# Altium PCB rev3.PcbDoc (part 4 of 7) (continued)
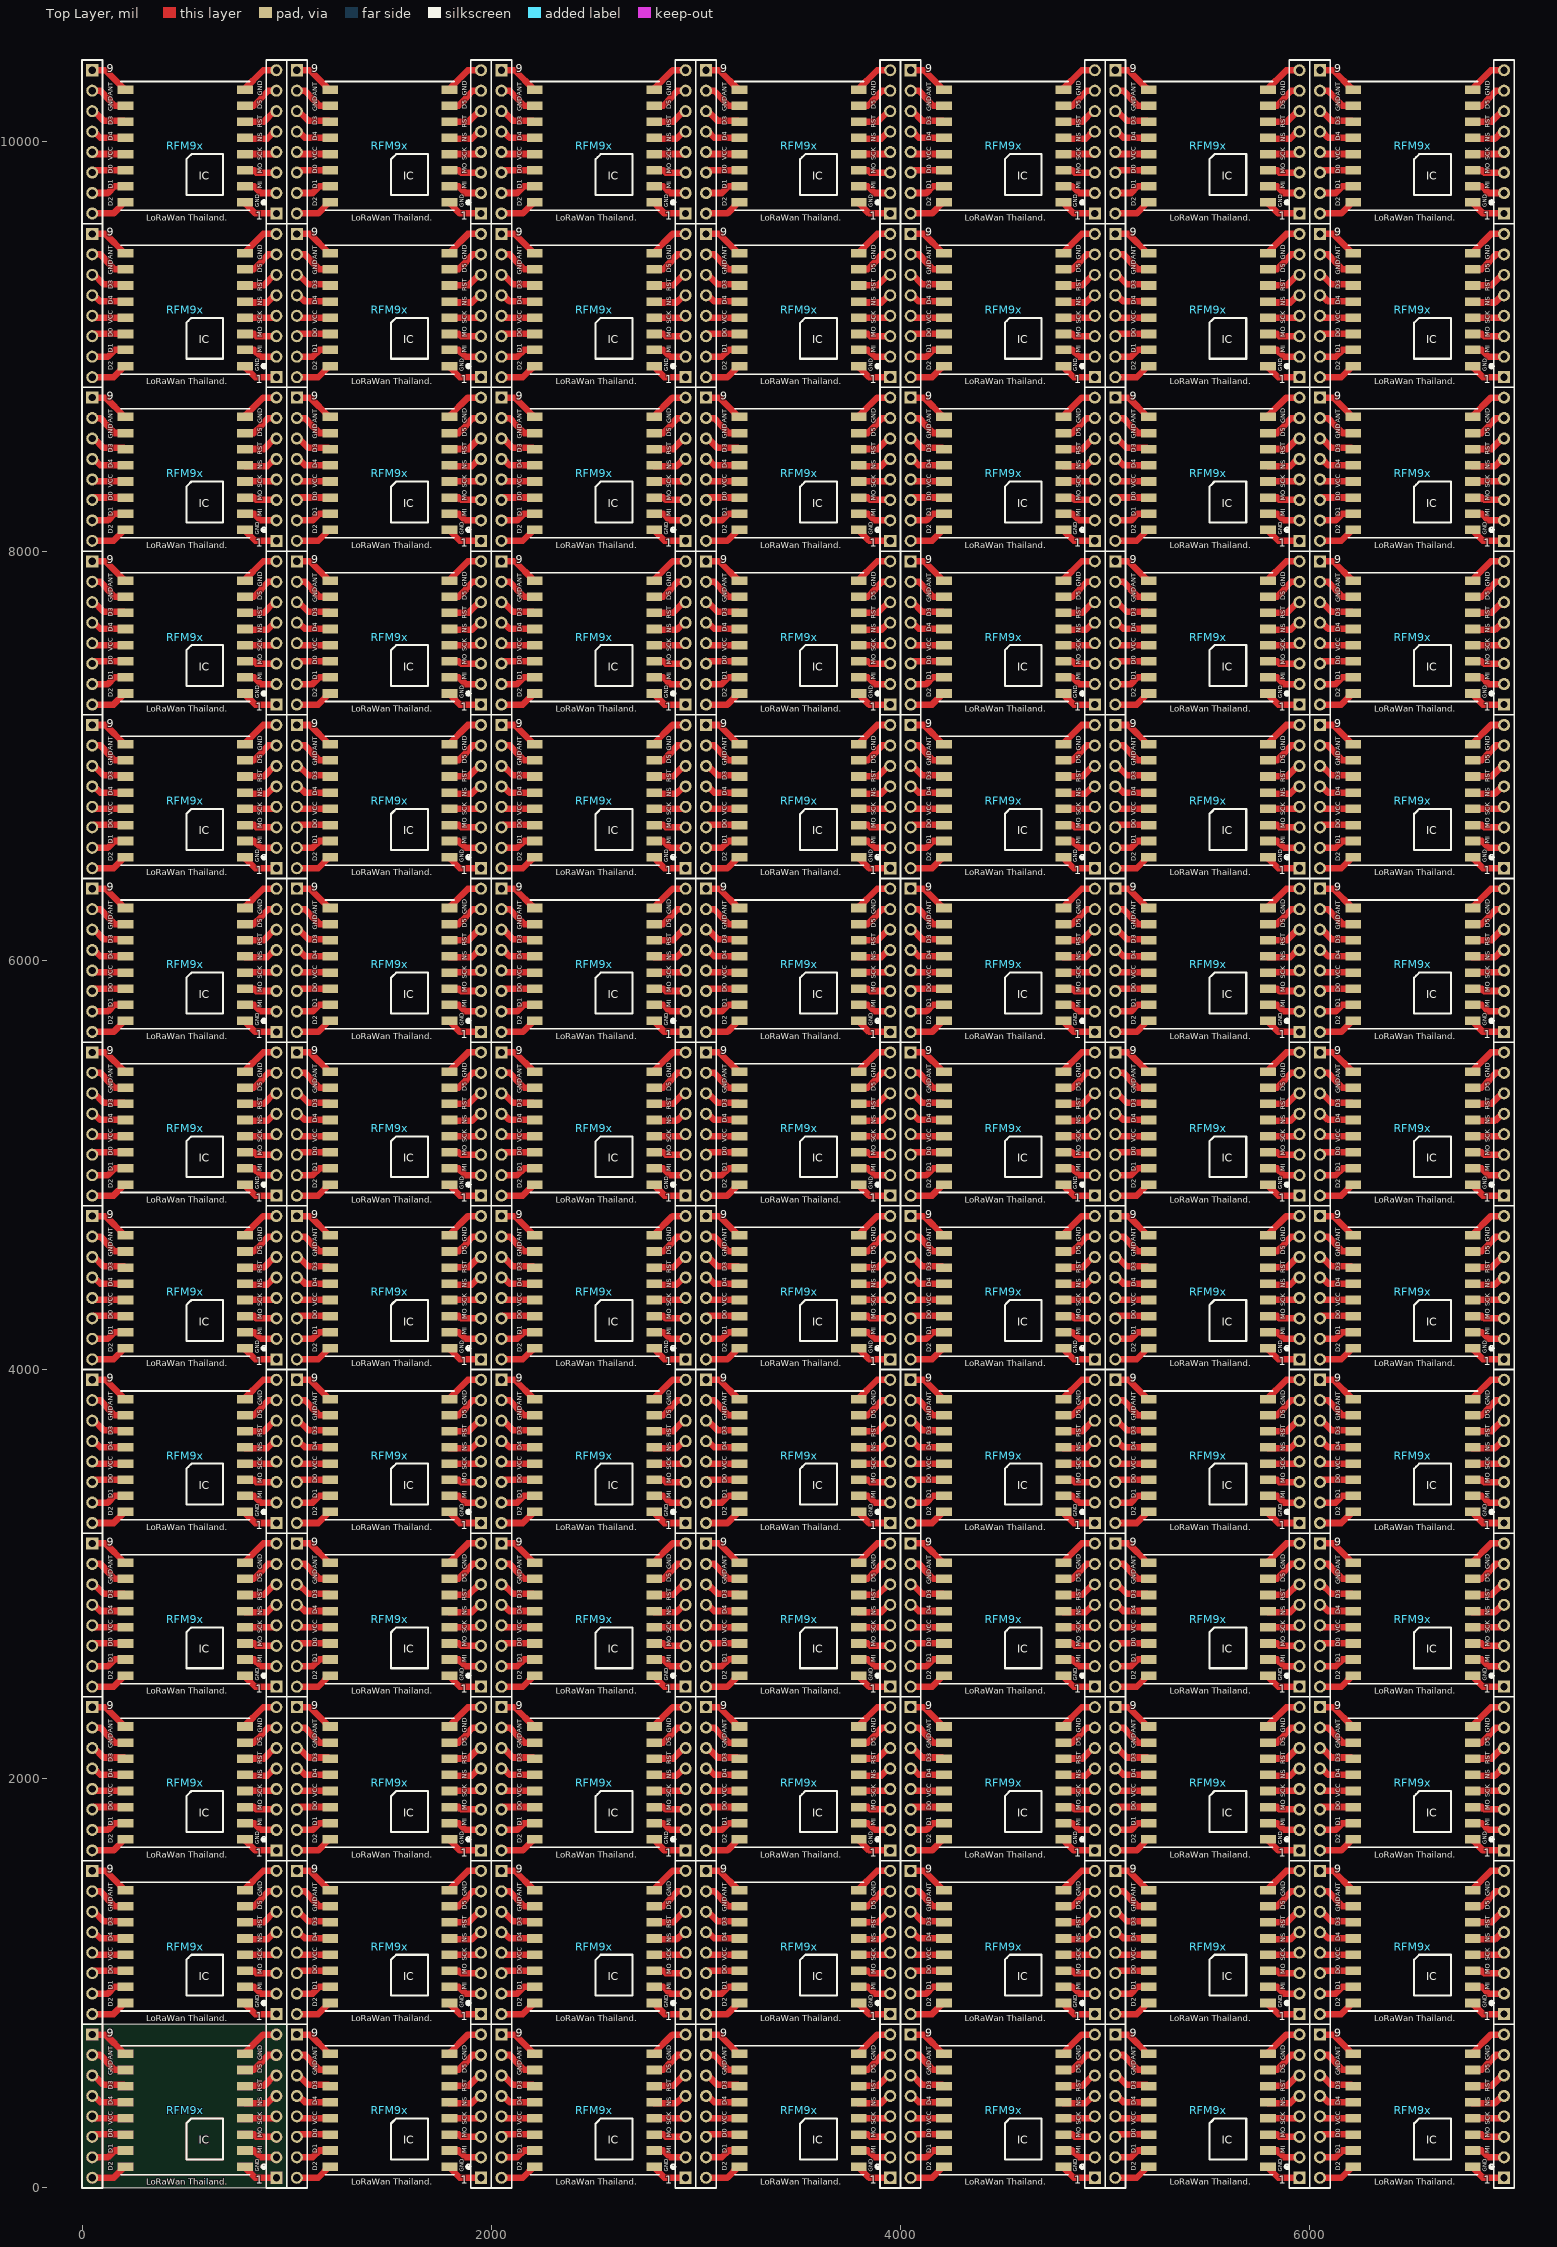
[diagram p0: Top Layer view]
## Nets (pads, with @x,y where several pads share a name; then routed paths per layer and width w, separated by ;. In a path a pad name is that pad's centre, name@x,y a point inside that pad or via, vN(x,y) a via of type N, cw(c..) or ccw(c..) an arc to the next point about the centre after c; other vN are vias at no path point) (continued)
1905.18,10014.82 1940.36,10050 1950,10050 ; 1792,10099 1889,10099 1940,10150 1950,10150 ; 1792,10177 1840.38,10177 1878.5,10215.12 1878.5,10218.5 1910,10250 1950,10250 ; 1792,10256 1886,10350 1950,10350 ; 2050,50 2154.25,50 2208.66,104.41 ; 2050,150 2126.87,150 2160.02,183.15 2208.66,183.15 ; 2050,250 2061.89,261.89 2208.66,261.89 ; 2050,350 2059.37,340.63 2208.66,340.63 ; 2050,450 2059.64,450 2089.64,420 2208.66,420 2208.66,421 ; 2050,550 2059.64,550 2105.64,504 2203.66,504 2208.66,499 ; 2050,650 2090,650 2122.16,617.84 2122.16,615.12 2160.28,577 2208.66,577 ; 2050,750 2114.66,750 2208.66,656 ; 2050,850 2154.25,850 2208.66,904.41 ; 2050,950 2126.87,950 2160.02,983.15 2208.66,983.15 ; 2050,1050 2061.89,1061.89 2208.66,1061.89 ; 2050,1150 2059.37,1140.63 2208.66,1140.63 ; 2050,1250 2059.64,1250 2089.64,1220 2208.66,1220 2208.66,1221 ; 2050,1350 2059.64,1350 2105.64,1304 2203.66,1304 2208.66,1299 ; 2050,1450 2090,1450 2122.16,1417.84 2122.16,1415.12 2160.28,1377 2208.66,1377 ; 2050,1550 2114.66,1550 2208.66,1456 ; 2050,1650 2154.25,1650 2208.66,1704.41 ; 2050,1750 2126.87,1750 2160.02,1783.15 2208.66,1783.15 ; 2050,1850 2061.89,1861.89 2208.66,1861.89 ; 2050,1950 2059.37,1940.63 2208.66,1940.63 ; 2050,2050 2059.64,2050 2089.64,2020 2208.66,2020 2208.66,2021 ; 2050,2150 2059.64,2150 2105.64,2104 2203.66,2104 2208.66,2099 ; 2050,2250 2090,2250 2122.16,2217.84 2122.16,2215.12 2160.28,2177 2208.66,2177 ; 2050,2350 2114.66,2350 2208.66,2256 ; 2050,2450 2154.25,2450 2208.66,2504.41 ; 2050,2550 2126.87,2550 2160.02,2583.15 2208.66,2583.15 ; 2050,2650 2061.89,2661.89 2208.66,2661.89 ; 2050,2750 2059.37,2740.63 2208.66,2740.63 ; 2050,2850 2059.64,2850 2089.64,2820 2208.66,2820 2208.66,2821 ; 2050,2950 2059.64,2950 2105.64,2904 2203.66,2904 2208.66,2899 ; 2050,3050 2090,3050 2122.16,3017.84 2122.16,3015.12 2160.28,2977 2208.66,2977 ; 2050,3150 2114.66,3150 2208.66,3056 ; 2050,3250 2154.25,3250 2208.66,3304.41 ; 2050,3350 2126.87,3350 2160.02,3383.15 2208.66,3383.15 ; 2050,3450 2061.89,3461.89 2208.66,3461.89 ; 2050,3550 2059.37,3540.63 2208.66,3540.63 ; 2050,3650 2059.64,3650 2089.64,3620 2208.66,3620 2208.66,3621 ; 2050,3750 2059.64,3750 2105.64,3704 2203.66,3704 2208.66,3699 ; 2050,3850 2090,3850 2122.16,3817.84 2122.16,3815.12 2160.28,3777 2208.66,3777 ; 2050,3950 2114.66,3950 2208.66,3856 ; 2050,4050 2154.25,4050 2208.66,4104.41 ; 2050,4150 2126.87,4150 2160.02,4183.15 2208.66,4183.15 ; 2050,4250 2061.89,4261.89 2208.66,4261.89 ; 2050,4350 2059.37,4340.63 2208.66,4340.63 ; 2050,4450 2059.64,4450 2089.64,4420 2208.66,4420 2208.66,4421 ; 2050,4550 2059.64,4550 2105.64,4504 2203.66,4504 2208.66,4499 ; 2050,4650 2090,4650 2122.16,4617.84 2122.16,4615.12 2160.28,4577 2208.66,4577 ; 2050,4750 2114.66,4750 2208.66,4656 ; 2050,4850 2154.25,4850 2208.66,4904.41 ; 2050,4950 2126.87,4950 2160.02,4983.15 2208.66,4983.15 ; 2050,5050 2061.89,5061.89 2208.66,5061.89 ; 2050,5150 2059.37,5140.63 2208.66,5140.63 ; 2050,5250 2059.64,5250 2089.64,5220 2208.66,5220 2208.66,5221 ; 2050,5350 2059.64,5350 2105.64,5304 2203.66,5304 2208.66,5299 ; 2050,5450 2090,5450 2122.16,5417.84 2122.16,5415.12 2160.28,5377 2208.66,5377 ; 2050,5550 2114.66,5550 2208.66,5456 ; 2050,5650 2154.25,5650 2208.66,5704.41 ; 2050,5750 2126.87,5750 2160.02,5783.15 2208.66,5783.15 ; 2050,5850 2061.89,5861.89 2208.66,5861.89 ; 2050,5950 2059.37,5940.63 2208.66,5940.63 ; 2050,6050 2059.64,6050 2089.64,6020 2208.66,6020 2208.66,6021 ; 2050,6150 2059.64,6150 2105.64,6104 2203.66,6104 2208.66,6099 ; 2050,6250 2090,6250 2122.16,6217.84 2122.16,6215.12 2160.28,6177 2208.66,6177 ; 2050,6350 2114.66,6350 2208.66,6256 ; 2050,6450 2154.25,6450 2208.66,6504.41 ; 2050,6550 2126.87,6550 2160.02,6583.15 2208.66,6583.15 ; 2050,6650 2061.89,6661.89 2208.66,6661.89 ; 2050,6750 2059.37,6740.63 2208.66,6740.63 ; 2050,6850 2059.64,6850 2089.64,6820 2208.66,6820 2208.66,6821 ; 2050,6950 2059.64,6950 2105.64,6904 2203.66,6904 2208.66,6899 ; 2050,7050 2090,7050 2122.16,7017.84 2122.16,7015.12 2160.28,6977 2208.66,6977 ; 2050,7150 2114.66,7150 2208.66,7056 ; 2050,7250 2154.25,7250 2208.66,7304.41 ; 2050,7350 2126.87,7350 2160.02,7383.15 2208.66,7383.15 ; 2050,7450 2061.89,7461.89 2208.66,7461.89 ; 2050,7550 2059.37,7540.63 2208.66,7540.63 ; 2050,7650 2059.64,7650 2089.64,7620 2208.66,7620 2208.66,7621 ; 2050,7750 2059.64,7750 2105.64,7704 2203.66,7704 2208.66,7699 ; 2050,7850 2090,7850 2122.16,7817.84 2122.16,7815.12 2160.28,7777 2208.66,7777 ; 2050,7950 2114.66,7950 2208.66,7856 ; 2050,8050 2154.25,8050 2208.66,8104.41 ; 2050,8150 2126.87,8150 2160.02,8183.15 2208.66,8183.15 ; 2050,8250 2061.89,8261.89 2208.66,8261.89 ; 2050,8350 2059.37,8340.63 2208.66,8340.63 ; 2050,8450 2059.64,8450 2089.64,8420 2208.66,8420 2208.66,8421 ; 2050,8550 2059.64,8550 2105.64,8504 2203.66,8504 2208.66,8499 ; 2050,8650 2090,8650 2122.16,8617.84 2122.16,8615.12 2160.28,8577 2208.66,8577 ; 2050,8750 2114.66,8750 2208.66,8656 ; 2050,8850 2154.25,8850 2208.66,8904.41 ; 2050,8950 2126.87,8950 2160.02,8983.15 2208.66,8983.15 ; 2050,9050 2061.89,9061.89 2208.66,9061.89 ; 2050,9150 2059.37,9140.63 2208.66,9140.63 ; 2050,9250 2059.64,9250 2089.64,9220 2208.66,9220 2208.66,9221 ; 2050,9350 2059.64,9350 2105.64,9304 2203.66,9304 2208.66,9299 ; 2050,9450 2090,9450 2122.16,9417.84 2122.16,9415.12 2160.28,9377 2208.66,9377 ; 2050,9550 2114.66,9550 2208.66,9456 ; 2050,9650 2154.25,9650 2208.66,9704.41 ; 2050,9750 2126.87,9750 2160.02,9783.15 2208.66,9783.15 ; 2050,9850 2061.89,9861.89 2208.66,9861.89 ; 2050,9950 2059.37,9940.63 2208.66,9940.63 ; 2050,10050 2059.64,10050 2089.64,10020 2208.66,10020 2208.66,10021 ; 2050,10150 2059.64,10150 2105.64,10104 2203.66,10104 2208.66,10099 ; 2050,10250 2090,10250 2122.16,10217.84 2122.16,10215.12 2160.28,10177 2208.66,10177 ; 2050,10350 2114.66,10350 2208.66,10256 ; 2792,104.41 2846.41,50 2950,50 ; 2792,183.15 2840.64,183.15 2873.79,150 2950,150 ; 2792,261.89 2840.64,261.89 2852.53,250 2950,250 2950,252.15 ; 2792,340.63 2940.63,340.63 2950,350 ; 2792,420 2797.18,414.82 2905.18,414.82 2940.36,450 2950,450 ; 2792,499 2889,499 2940,550 2950,550 ; 2792,577 2840.38,577 2878.5,615.12 2878.5,618.5 2910,650 2950,650 ; 2792,656 2886,750 2950,750 ; 2792,904.41 2846.41,850 2950,850 ; 2792,983.15 2840.64,983.15 2873.79,950 2950,950 ; 2792,1061.89 2840.64,1061.89 2852.53,1050 2950,1050 2950,1052.15 ; 2792,1140.63 2940.63,1140.63 2950,1150 ; 2792,1220 2797.18,1214.82 2905.18,1214.82 2940.36,1250 2950,1250 ; 2792,1299 2889,1299 2940,1350 2950,1350 ; 2792,1377 2840.38,1377 2878.5,1415.12 2878.5,1418.5 2910,1450 2950,1450 ; 2792,1456 2886,1550 2950,1550 ; 2792,1704.41 2846.41,1650 2950,1650 ; 2792,1783.15 2840.64,1783.15 2873.79,1750 2950,1750 ; 2792,1861.89 2840.64,1861.89 2852.53,1850 2950,1850 2950,1852.15 ; 2792,1940.63 2940.63,1940.63 2950,1950 ; 2792,2020 2797.18,2014.82 2905.18,2014.82 2940.36,2050 2950,2050 ; 2792,2099 2889,2099 2940,2150 2950,2150 ; 2792,2177 2840.38,2177 2878.5,2215.12 2878.5,2218.5 2910,2250 2950,2250 ; 2792,2256 2886,2350 2950,2350 ; 2792,2504.41 2846.41,2450 2950,2450 ; 2792,2583.15 2840.64,2583.15 2873.79,2550 2950,2550 ; 2792,2661.89 2840.64,2661.89 2852.53,2650 2950,2650 2950,2652.15 ; 2792,2740.63 2940.63,2740.63 2950,2750 ; 2792,2820 2797.18,2814.82 2905.18,2814.82 2940.36,2850 2950,2850 ; 2792,2899 2889,2899 2940,2950 2950,2950 ; 2792,2977 2840.38,2977 2878.5,3015.12 2878.5,3018.5 2910,3050 2950,3050 ; 2792,3056 2886,3150 2950,3150 ; 2792,3304.41 2846.41,3250 2950,3250 ; 2792,3383.15 2840.64,3383.15 2873.79,3350 2950,3350 ; 2792,3461.89 2840.64,3461.89 2852.53,3450 2950,3450 2950,3452.15 ; 2792,3540.63 2940.63,3540.63 2950,3550 ; 2792,3620 2797.18,3614.82 2905.18,3614.82 2940.36,3650 2950,3650 ; 2792,3699 2889,3699 2940,3750 2950,3750 ; 2792,3777 2840.38,3777 2878.5,3815.12 2878.5,3818.5 2910,3850 2950,3850 ; 2792,3856 2886,3950 2950,3950 ; 2792,4104.41 2846.41,4050 2950,4050 ; 2792,4183.15 2840.64,4183.15 2873.79,4150 2950,4150 ; 2792,4261.89 2840.64,4261.89 2852.53,4250 2950,4250 2950,4252.15 ; 2792,4340.63 2940.63,4340.63 2950,4350 ; 2792,4420 2797.18,4414.82 2905.18,4414.82 2940.36,4450 2950,4450 ; 2792,4499 2889,4499 2940,4550 2950,4550 ; 2792,4577 2840.38,4577 2878.5,4615.12 2878.5,4618.5 2910,4650 2950,4650 ; 2792,4656 2886,4750 2950,4750 ; 2792,4904.41 2846.41,4850 2950,4850 ; 2792,4983.15 2840.64,4983.15 2873.79,4950 2950,4950 ; 2792,5061.89 2840.64,5061.89 2852.53,5050 2950,5050 2950,5052.15 ; 2792,5140.63 2940.63,5140.63 2950,5150 ; 2792,5220 2797.18,5214.82 2905.18,5214.82 2940.36,5250 2950,5250 ; 2792,5299 2889,5299 2940,5350 2950,5350 ; 2792,5377 2840.38,5377 2878.5,5415.12 2878.5,5418.5 2910,5450 2950,5450 ; 2792,5456 2886,5550 2950,5550 ; 2792,5704.41 2846.41,5650 2950,5650 ; 2792,5783.15 2840.64,5783.15 2873.79,5750 2950,5750 ; 2792,5861.89 2840.64,5861.89 2852.53,5850 2950,5850 2950,5852.15 ; 2792,5940.63 2940.63,5940.63 2950,5950 ; 2792,6020 2797.18,6014.82 2905.18,6014.82 2940.36,6050 2950,6050 ; 2792,6099 2889,6099 2940,6150 2950,6150 ; 2792,6177 2840.38,6177 2878.5,6215.12 2878.5,6218.5 2910,6250 2950,6250 ; 2792,6256 2886,6350 2950,6350 ; 2792,6504.41 2846.41,6450 2950,6450 ; 2792,6583.15 2840.64,6583.15 2873.79,6550 2950,6550 ; 2792,6661.89 2840.64,6661.89 2852.53,6650 2950,6650 2950,6652.15 ; 2792,6740.63 2940.63,6740.63 2950,6750 ; 2792,6820 2797.18,6814.82 2905.18,6814.82 2940.36,6850 2950,6850 ; 2792,6899 2889,6899 2940,6950 2950,6950 ; 2792,6977 2840.38,6977 2878.5,7015.12 2878.5,7018.5 2910,7050 2950,7050 ; 2792,7056 2886,7150 2950,7150 ; 2792,7304.41 2846.41,7250 2950,7250 ; 2792,7383.15 2840.64,7383.15 2873.79,7350 2950,7350 ; 2792,7461.89 2840.64,7461.89 2852.53,7450 2950,7450 2950,7452.15 ; 2792,7540.63 2940.63,7540.63 2950,7550 ; 2792,7620 2797.18,7614.82 2905.18,7614.82 2940.36,7650 2950,7650 ; 2792,7699 2889,7699 2940,7750 2950,7750 ; 2792,7777 2840.38,7777 2878.5,7815.12 2878.5,7818.5 2910,7850 2950,7850 ; 2792,7856 2886,7950 2950,7950 ; 2792,8104.41 2846.41,8050 2950,8050 ; 2792,8183.15 2840.64,8183.15 2873.79,8150 2950,8150 ; 2792,8261.89 2840.64,8261.89 2852.53,8250 2950,8250 2950,8252.15 ; 2792,8340.63 2940.63,8340.63 2950,8350 ; 2792,8420 2797.18,8414.82 2905.18,8414.82 2940.36,8450 2950,8450 ; 2792,8499 2889,8499 2940,8550 2950,8550 ; 2792,8577 2840.38,8577 2878.5,8615.12 2878.5,8618.5 2910,8650 2950,8650 ; 2792,8656 2886,8750 2950,8750 ; 2792,8904.41 2846.41,8850 2950,8850 ; 2792,8983.15 2840.64,8983.15 2873.79,8950 2950,8950 ; 2792,9061.89 2840.64,9061.89 2852.53,9050 2950,9050 2950,9052.15 ; 2792,9140.63 2940.63,9140.63 2950,9150 ; 2792,9220 2797.18,9214.82 2905.18,9214.82 2940.36,9250 2950,9250 ; 2792,9299 2889,9299 2940,9350 2950,9350 ; 2792,9377 2840.38,9377 2878.5,9415.12 2878.5,9418.5 2910,9450 2950,9450 ; 2792,9456 2886,9550 2950,9550 ; 2792,9704.41 2846.41,9650 2950,9650 ; 2792,9783.15 2840.64,9783.15 2873.79,9750 2950,9750 ; 2792,9861.89 2840.64,9861.89 2852.53,9850 2950,9850 2950,9852.15 ; 2792,9940.63 2940.63,9940.63 2950,9950 ; 2792,10020 2797.18,10014.82 2905.18,10014.82 2940.36,10050 2950,10050 ; 2792,10099 2889,10099 2940,10150 2950,10150 ; 2792,10177 2840.38,10177 2878.5,10215.12 2878.5,10218.5 2910,10250 2950,10250 ; 2792,10256 2886,10350 2950,10350 ; 3050,50 3154.25,50 3208.66,104.41 ; 3050,150 3126.87,150 3160.02,183.15 3208.66,183.15 ; 3050,250 3061.89,261.89 3208.66,261.89 ; 3050,350 3059.37,340.63 3208.66,340.63 ; 3050,450 3059.64,450 3089.64,420 3208.66,420 3208.66,421 ; 3050,550 3059.64,550 3105.64,504 3203.66,504 3208.66,499 ; 3050,650 3090,650 3122.16,617.84 3122.16,615.12 3160.28,577 3208.66,577 ; 3050,750 3114.66,750 3208.66,656 ; 3050,850 3154.25,850 3208.66,904.41 ; 3050,950 3126.87,950 3160.02,983.15 3208.66,983.15 ; 3050,1050 3061.89,1061.89 3208.66,1061.89 ; 3050,1150 3059.37,1140.63 3208.66,1140.63 ; 3050,1250 3059.64,1250 3089.64,1220 3208.66,1220 3208.66,1221 ; 3050,1350 3059.64,1350 3105.64,1304 3203.66,1304 3208.66,1299 ; 3050,1450 3090,1450 3122.16,1417.84 3122.16,1415.12 3160.28,1377 3208.66,1377 ; 3050,1550 3114.66,1550 3208.66,1456 ; 3050,1650 3154.25,1650 3208.66,1704.41 ; 3050,1750 3126.87,1750 3160.02,1783.15 3208.66,1783.15 ; 3050,1850 3061.89,1861.89 3208.66,1861.89 ; 3050,1950 3059.37,1940.63 3208.66,1940.63 ; 3050,2050 3059.64,2050 3089.64,2020 3208.66,2020 3208.66,2021 ; 3050,2150 3059.64,2150 3105.64,2104 3203.66,2104 3208.66,2099 ; 3050,2250 3090,2250 3122.16,2217.84 3122.16,2215.12 3160.28,2177 3208.66,2177 ; 3050,2350 3114.66,2350 3208.66,2256 ; 3050,2450 3154.25,2450 3208.66,2504.41 ; 3050,2550 3126.87,2550 3160.02,2583.15 3208.66,2583.15 ; 3050,2650 3061.89,2661.89 3208.66,2661.89 ; 3050,2750 3059.37,2740.63 3208.66,2740.63 ; 3050,2850 3059.64,2850 3089.64,2820 3208.66,2820 3208.66,2821 ; 3050,2950 3059.64,2950 3105.64,2904 3203.66,2904 3208.66,2899 ; 3050,3050 3090,3050 3122.16,3017.84 3122.16,3015.12 3160.28,2977 3208.66,2977 ; 3050,3150 3114.66,3150 3208.66,3056 ; 3050,3250 3154.25,3250 3208.66,3304.41 ; 3050,3350 3126.87,3350 3160.02,3383.15 3208.66,3383.15 ; 3050,3450 3061.89,3461.89 3208.66,3461.89 ; 3050,3550 3059.37,3540.63 3208.66,3540.63 ; 3050,3650 3059.64,3650 3089.64,3620 3208.66,3620 3208.66,3621 ; 3050,3750 3059.64,3750 3105.64,3704 3203.66,3704 3208.66,3699 ; 3050,3850 3090,3850 3122.16,3817.84 3122.16,3815.12 3160.28,3777 3208.66,3777 ; 3050,3950 3114.66,3950 3208.66,3856 ; 3050,4050 3154.25,4050 3208.66,4104.41 ; 3050,4150 3126.87,4150 3160.02,4183.15 3208.66,4183.15 ; 3050,4250 3061.89,4261.89 3208.66,4261.89 ; 3050,4350 3059.37,4340.63 3208.66,4340.63 ; 3050,4450 3059.64,4450 3089.64,4420 3208.66,4420 3208.66,4421 ; 3050,4550 3059.64,4550 3105.64,4504 3203.66,4504 3208.66,4499 ; 3050,4650 3090,4650 3122.16,4617.84 3122.16,4615.12 3160.28,4577 3208.66,4577 ; 3050,4750 3114.66,4750 3208.66,4656 ; 3050,4850 3154.25,4850 3208.66,4904.41 ; 3050,4950 3126.87,4950 3160.02,4983.15 3208.66,4983.15 ; 3050,5050 3061.89,5061.89 3208.66,5061.89 ; 3050,5150 3059.37,5140.63 3208.66,5140.63 ; 3050,5250 3059.64,5250 3089.64,5220 3208.66,5220 3208.66,5221 ; 3050,5350 3059.64,5350 3105.64,5304 3203.66,5304 3208.66,5299 ; 3050,5450 3090,5450 3122.16,5417.84 3122.16,5415.12 3160.28,5377 3208.66,5377 ; 3050,5550 3114.66,5550 3208.66,5456 ; 3050,5650 3154.25,5650 3208.66,5704.41 ; 3050,5750 3126.87,5750 3160.02,5783.15 3208.66,5783.15 ; 3050,5850 3061.89,5861.89 3208.66,5861.89 ; 3050,5950 3059.37,5940.63 3208.66,5940.63 ; 3050,6050 3059.64,6050 3089.64,6020 3208.66,6020 3208.66,6021 ; 3050,6150 3059.64,6150 3105.64,6104 3203.66,6104 3208.66,6099 ; 3050,6250 3090,6250 3122.16,6217.84 3122.16,6215.12 3160.28,6177 3208.66,6177 ; 3050,6350 3114.66,6350 3208.66,6256 ; 3050,6450 3154.25,6450 3208.66,6504.41 ; 3050,6550 3126.87,6550 3160.02,6583.15 3208.66,6583.15 ; 3050,6650 3061.89,6661.89 3208.66,6661.89 ; 3050,6750 3059.37,6740.63 3208.66,6740.63 ; 3050,6850 3059.64,6850 3089.64,6820 3208.66,6820 3208.66,6821 ; 3050,6950 3059.64,6950 3105.64,6904 3203.66,6904 3208.66,6899 ; 3050,7050 3090,7050 3122.16,7017.84 3122.16,7015.12 3160.28,6977 3208.66,6977 ; 3050,7150 3114.66,7150 3208.66,7056 ; 3050,7250 3154.25,7250 3208.66,7304.41 ; 3050,7350 3126.87,7350 3160.02,7383.15 3208.66,7383.15 ; 3050,7450 3061.89,7461.89 3208.66,7461.89 ; 3050,7550 3059.37,7540.63 3208.66,7540.63 ; 3050,7650 3059.64,7650 3089.64,7620 3208.66,7620 3208.66,7621 ; 3050,7750 3059.64,7750 3105.64,7704 3203.66,7704 3208.66,7699 ; 3050,7850 3090,7850 3122.16,7817.84 3122.16,7815.12 3160.28,7777 3208.66,7777 ; 3050,7950 3114.66,7950 3208.66,7856 ; 3050,8050 3154.25,8050 3208.66,8104.41 ; 3050,8150 3126.87,8150 3160.02,8183.15 3208.66,8183.15 ; 3050,8250 3061.89,8261.89 3208.66,8261.89 ; 3050,8350 3059.37,8340.63 3208.66,8340.63 ; 3050,8450 3059.64,8450 3089.64,8420 3208.66,8420 3208.66,8421 ; 3050,8550 3059.64,8550 3105.64,8504 3203.66,8504 3208.66,8499 ; 3050,8650 3090,8650 3122.16,8617.84 3122.16,8615.12 3160.28,8577 3208.66,8577 ; 3050,8750 3114.66,8750 3208.66,8656 ; 3050,8850 3154.25,8850 3208.66,8904.41 ; 3050,8950 3126.87,8950 3160.02,8983.15 3208.66,8983.15 ; 3050,9050 3061.89,9061.89 3208.66,9061.89 ; 3050,9150 3059.37,9140.63 3208.66,9140.63 ; 3050,9250 3059.64,9250 3089.64,9220 3208.66,9220 3208.66,9221 ; 3050,9350 3059.64,9350 3105.64,9304 3203.66,9304 3208.66,9299 ; 3050,9450 3090,9450 3122.16,9417.84 3122.16,9415.12 3160.28,9377 3208.66,9377 ; 3050,9550 3114.66,9550 3208.66,9456 ; 3050,9650 3154.25,9650 3208.66,9704.41 ; 3050,9750 3126.87,9750 3160.02,9783.15 3208.66,9783.15 ; 3050,9850 3061.89,9861.89 3208.66,9861.89 ; 3050,9950 3059.37,9940.63 3208.66,9940.63 ; 3050,10050 3059.64,10050 3089.64,10020 3208.66,10020 3208.66,10021 ; 3050,10150 3059.64,10150 3105.64,10104 3203.66,10104 3208.66,10099 ; 3050,10250 3090,10250 3122.16,10217.84 3122.16,10215.12 3160.28,10177 3208.66,10177 ; 3050,10350 3114.66,10350 3208.66,10256 ; 3792,104.41 3846.41,50 3950,50 ; 3792,183.15 3840.64,183.15 3873.79,150 3950,150 ; 3792,261.89 3840.64,261.89 3852.53,250 3950,250 3950,252.15 ; 3792,340.63 3940.63,340.63 3950,350 ; 3792,420 3797.18,414.82 3905.18,414.82 3940.36,450 3950,450 ; 3792,499 3889,499 3940,550 3950,550 ; 3792,577 3840.38,577 3878.5,615.12 3878.5,618.5 3910,650 3950,650 ; 3792,656 3886,750 3950,750 ; 3792,904.41 3846.41,850 3950,850 ; 3792,983.15 3840.64,983.15 3873.79,950 3950,950 ; 3792,1061.89 3840.64,1061.89 3852.53,1050 3950,1050 3950,1052.15 ; 3792,1140.63 3940.63,1140.63 3950,1150 ; 3792,1220 3797.18,1214.82 3905.18,1214.82 3940.36,1250 3950,1250 ; 3792,1299 3889,1299 3940,1350 3950,1350 ; 3792,1377 3840.38,1377 3878.5,1415.12 3878.5,1418.5 3910,1450 3950,1450 ; 3792,1456 3886,1550 3950,1550 ; 3792,1704.41 3846.41,1650 3950,1650 ; 3792,1783.15 3840.64,1783.15 3873.79,1750 3950,1750 ; 3792,1861.89 3840.64,1861.89 3852.53,1850 3950,1850 3950,1852.15 ; 3792,1940.63 3940.63,1940.63 3950,1950 ; 3792,2020 3797.18,2014.82 3905.18,2014.82 3940.36,2050 3950,2050 ; 3792,2099 3889,2099 3940,2150 3950,2150 ; 3792,2177 3840.38,2177 3878.5,2215.12 3878.5,2218.5 3910,2250 3950,2250 ; 3792,2256 3886,2350 3950,2350 ; 3792,2504.41 3846.41,2450 3950,2450 ; 3792,2583.15 3840.64,2583.15 3873.79,2550 3950,2550 ; 3792,2661.89 3840.64,2661.89 3852.53,2650 3950,2650 3950,2652.15 ; 3792,2740.63 3940.63,2740.63 3950,2750 ; 3792,2820 3797.18,2814.82 3905.18,2814.82 3940.36,2850 3950,2850 ; 3792,2899 3889,2899 3940,2950 3950,2950 ; 3792,2977 3840.38,2977 3878.5,3015.12 3878.5,3018.5 3910,3050 3950,3050 ; 3792,3056 3886,3150 3950,3150 ; 3792,3304.41 3846.41,3250 3950,3250 ; 3792,3383.15 3840.64,3383.15 3873.79,3350 3950,3350 ; 3792,3461.89 3840.64,3461.89 3852.53,3450 3950,3450 3950,3452.15 ; 3792,3540.63 3940.63,3540.63 3950,3550 ; 3792,3620 3797.18,3614.82 3905.18,3614.82 3940.36,3650 3950,3650 ; 3792,3699 3889,3699 3940,3750 3950,3750 ; 3792,3777 3840.38,3777 3878.5,3815.12 3878.5,3818.5 3910,3850 3950,3850 ; 3792,3856 3886,3950 3950,3950 ; 3792,4104.41 3846.41,4050 3950,4050 ; 3792,4183.15 3840.64,4183.15 3873.79,4150 3950,4150 ; 3792,4261.89 3840.64,4261.89 3852.53,4250 3950,4250 3950,4252.15 ; 3792,4340.63 3940.63,4340.63 3950,4350 ; 3792,4420 3797.18,4414.82 3905.18,4414.82 3940.36,4450 3950,4450 ; 3792,4499 3889,4499 3940,4550 3950,4550 ; 3792,4577 3840.38,4577 3878.5,4615.12 3878.5,4618.5 3910,4650 3950,4650 ; 3792,4656 3886,4750 3950,4750 ; 3792,4904.41 3846.41,4850 3950,4850 ; 3792,4983.15 3840.64,4983.15 3873.79,4950 3950,4950 ; 3792,5061.89 3840.64,5061.89 3852.53,5050 3950,5050 3950,5052.15 ; 3792,5140.63 3940.63,5140.63 3950,5150 ; 3792,5220 3797.18,5214.82 3905.18,5214.82 3940.36,5250 3950,5250 ; 3792,5299 3889,5299 3940,5350 3950,5350 ; 3792,5377 3840.38,5377 3878.5,5415.12 3878.5,5418.5 3910,5450 3950,5450 ; 3792,5456 3886,5550 3950,5550 ; 3792,5704.41 3846.41,5650 3950,5650 ; 3792,5783.15 3840.64,5783.15 3873.79,5750 3950,5750 ; 3792,5861.89 3840.64,5861.89 3852.53,5850 3950,5850 3950,5852.15 ; 3792,5940.63 3940.63,5940.63 3950,5950 ; 3792,6020 3797.18,6014.82 3905.18,6014.82 3940.36,6050 3950,6050 ; 3792,6099 3889,6099 3940,6150 3950,6150 ; 3792,6177 3840.38,6177 3878.5,6215.12 3878.5,6218.5 3910,6250 3950,6250 ; 3792,6256 3886,6350 3950,6350 ; 3792,6504.41 3846.41,6450 3950,6450 ; 3792,6583.15 3840.64,6583.15 3873.79,6550 3950,6550 ; 3792,6661.89 3840.64,6661.89 3852.53,6650 3950,6650 3950,6652.15 ; 3792,6740.63 3940.63,6740.63 3950,6750 ; 3792,6820 3797.18,6814.82 3905.18,6814.82 3940.36,6850 3950,6850 ; 3792,6899 3889,6899 3940,6950 3950,6950 ; 3792,6977 3840.38,6977 3878.5,7015.12 3878.5,7018.5 3910,7050 3950,7050 ; 3792,7056 3886,7150 3950,7150 ; 3792,7304.41 3846.41,7250 3950,7250 ; 3792,7383.15 3840.64,7383.15 3873.79,7350 3950,7350 ; 3792,7461.89 3840.64,7461.89 3852.53,7450 3950,7450 3950,7452.15 ; 3792,7540.63 3940.63,7540.63 3950,7550 ; 3792,7620 3797.18,7614.82 3905.18,7614.82 3940.36,7650 3950,7650 ; 3792,7699 3889,7699 3940,7750 3950,7750 ; 3792,7777 3840.38,7777 3878.5,7815.12 3878.5,7818.5 3910,7850 3950,7850 ; 3792,7856 3886,7950 3950,7950 ; 3792,8104.41 3846.41,8050 3950,8050 ; 3792,8183.15 3840.64,8183.15 3873.79,8150 3950,8150 ; 3792,8261.89 3840.64,8261.89 3852.53,8250 3950,8250 3950,8252.15 ; 3792,8340.63 3940.63,8340.63 3950,8350 ; 3792,8420 3797.18,8414.82 3905.18,8414.82 3940.36,8450 3950,8450 ; 3792,8499 3889,8499 3940,8550 3950,8550 ; 3792,8577 3840.38,8577 3878.5,8615.12 3878.5,8618.5 3910,8650 3950,8650 ; 3792,8656 3886,8750 3950,8750 ; 3792,8904.41 3846.41,8850 3950,8850 ; 3792,8983.15 3840.64,8983.15 3873.79,8950 3950,8950 ; 3792,9061.89 3840.64,9061.89 3852.53,9050 3950,9050 3950,9052.15 ; 3792,9140.63 3940.63,9140.63 3950,9150 ; 3792,9220 3797.18,9214.82 3905.18,9214.82 3940.36,9250 3950,9250 ; 3792,9299 3889,9299 3940,9350 3950,9350 ; 3792,9377 3840.38,9377 3878.5,9415.12 3878.5,9418.5 3910,9450 3950,9450 ; 3792,9456 3886,9550 3950,9550 ; 3792,9704.41 3846.41,9650 3950,9650 ; 3792,9783.15 3840.64,9783.15 3873.79,9750 3950,9750 ; 3792,9861.89 3840.64,9861.89 3852.53,9850 3950,9850 3950,9852.15 ; 3792,9940.63 3940.63,9940.63 3950,9950 ; 3792,10020 3797.18,10014.82 3905.18,10014.82 3940.36,10050 3950,10050 ; 3792,10099 3889,10099 3940,10150 3950,10150 ; 3792,10177 3840.38,10177 3878.5,10215.12 3878.5,10218.5 3910,10250 3950,10250 ; 3792,10256 3886,10350 3950,10350 ; 4050,50 4154.25,50 4208.66,104.41 ; 4050,150 4126.87,150 4160.02,183.15 4208.66,183.15 ; 4050,250 4061.89,261.89 4208.66,261.89 ; 4050,350 4059.37,340.63 4208.66,340.63 ; 4050,450 4059.64,450 4089.64,420 4208.66,420 4208.66,421 ; 4050,550 4059.64,550 4105.64,504 4203.66,504 4208.66,499 ; 4050,650 4090,650 4122.16,617.84 4122.16,615.12 4160.28,577 4208.66,577 ; 4050,750 4114.66,750 4208.66,656 ; 4050,850 4154.25,850 4208.66,904.41 ; 4050,950 4126.87,950 4160.02,983.15 4208.66,983.15 ; 4050,1050 4061.89,1061.89 4208.66,1061.89 ; 4050,1150 4059.37,1140.63 4208.66,1140.63 ; 4050,1250 4059.64,1250 4089.64,1220 4208.66,1220 4208.66,1221 ; 4050,1350 4059.64,1350 4105.64,1304 4203.66,1304 4208.66,1299 ; 4050,1450 4090,1450 4122.16,1417.84 4122.16,1415.12 4160.28,1377 4208.66,1377 ; 4050,1550 4114.66,1550 4208.66,1456 ; 4050,1650 4154.25,1650 4208.66,1704.41 ; 4050,1750 4126.87,1750 4160.02,1783.15 4208.66,1783.15 ; 4050,1850 4061.89,1861.89 4208.66,1861.89 ; 4050,1950 4059.37,1940.63 4208.66,1940.63 ; 4050,2050 4059.64,2050 4089.64,2020 4208.66,2020 4208.66,2021 ; 4050,2150 4059.64,2150 4105.64,2104 4203.66,2104 4208.66,2099 ; 4050,2250 4090,2250 4122.16,2217.84 4122.16,2215.12 4160.28,2177 4208.66,2177 ; 4050,2350 4114.66,2350 4208.66,2256 ; 4050,2450 4154.25,2450 4208.66,2504.41 ; 4050,2550 4126.87,2550 4160.02,2583.15 4208.66,2583.15 ; 4050,2650 4061.89,2661.89 4208.66,2661.89 ; 4050,2750 4059.37,2740.63 4208.66,2740.63 ; 4050,2850 4059.64,2850 4089.64,2820 4208.66,2820 4208.66,2821 ; 4050,2950 4059.64,2950 4105.64,2904 4203.66,2904 4208.66,2899 ; 4050,3050 4090,3050 4122.16,3017.84 4122.16,3015.12 4160.28,2977 4208.66,2977 ; 4050,3150 4114.66,3150 4208.66,3056 ; 4050,3250 4154.25,3250 4208.66,3304.41 ; 4050,3350 4126.87,3350 4160.02,3383.15 4208.66,3383.15 ; 4050,3450 4061.89,3461.89 4208.66,3461.89 ; 4050,3550 4059.37,3540.63 4208.66,3540.63 ; 4050,3650 4059.64,3650 4089.64,3620 4208.66,3620 4208.66,3621 ; 4050,3750 4059.64,3750 4105.64,3704 4203.66,3704 4208.66,3699 ; 4050,3850 4090,3850 4122.16,3817.84 4122.16,3815.12 4160.28,3777 4208.66,3777 ; 4050,3950 4114.66,3950 4208.66,3856 ; 4050,4050 4154.25,4050 4208.66,4104.41 ; 4050,4150 4126.87,4150 4160.02,4183.15 4208.66,4183.15 ; 4050,4250 4061.89,4261.89 4208.66,4261.89 ; 4050,4350 4059.37,4340.63 4208.66,4340.63 ; 4050,4450 4059.64,4450 4089.64,4420 4208.66,4420 4208.66,4421 ; 4050,4550 4059.64,4550 4105.64,4504 4203.66,4504 4208.66,4499 ; 4050,4650 4090,4650 4122.16,4617.84 4122.16,4615.12 4160.28,4577 4208.66,4577 ; 4050,4750 4114.66,4750 4208.66,4656 ; 4050,4850 4154.25,4850 4208.66,4904.41 ; 4050,4950 4126.87,4950 4160.02,4983.15 4208.66,4983.15 ; 4050,5050 4061.89,5061.89 4208.66,5061.89 ; 4050,5150 4059.37,5140.63 4208.66,5140.63 ; 4050,5250 4059.64,5250 4089.64,5220 4208.66,5220 4208.66,5221 ; 4050,5350 4059.64,5350 4105.64,5304 4203.66,5304 4208.66,5299 ; 4050,5450 4090,5450 4122.16,5417.84 4122.16,5415.12 4160.28,5377 4208.66,5377 ; 4050,5550 4114.66,5550 4208.66,5456 ; 4050,5650 4154.25,5650 4208.66,5704.41 ; 4050,5750 4126.87,5750 4160.02,5783.15 4208.66,5783.15 ; 4050,5850 4061.89,5861.89 4208.66,5861.89 ; 4050,5950 4059.37,5940.63 4208.66,5940.63 ; 4050,6050 4059.64,6050 4089.64,6020 4208.66,6020 4208.66,6021 ; 4050,6150 4059.64,6150 4105.64,6104 4203.66,6104 4208.66,6099 ; 4050,6250 4090,6250 4122.16,6217.84 4122.16,6215.12 4160.28,6177 4208.66,6177 ; 4050,6350 4114.66,6350 4208.66,6256 ; 4050,6450 4154.25,6450 4208.66,6504.41 ; 4050,6550 4126.87,6550 4160.02,6583.15 4208.66,6583.15 ; 4050,6650 4061.89,6661.89 4208.66,6661.89 ; 4050,6750 4059.37,6740.63 4208.66,6740.63 ; 4050,6850 4059.64,6850 4089.64,6820 4208.66,6820 4208.66,6821 ; 4050,6950 4059.64,6950 4105.64,6904 4203.66,6904 4208.66,6899 ; 4050,7050 4090,7050 4122.16,7017.84 4122.16,7015.12 4160.28,6977 4208.66,6977 ; 4050,7150 4114.66,7150 4208.66,7056 ; 4050,7250 4154.25,7250 4208.66,7304.41 ; 4050,7350 4126.87,7350 4160.02,7383.15 4208.66,7383.15 ; 4050,7450 4061.89,7461.89 4208.66,7461.89 ; 4050,7550 4059.37,7540.63 4208.66,7540.63 ; 4050,7650 4059.64,7650 4089.64,7620 4208.66,7620 4208.66,7621 ; 4050,7750 4059.64,7750 4105.64,7704 4203.66,7704 4208.66,7699 ; 4050,7850 4090,7850 4122.16,7817.84 4122.16,7815.12 4160.28,7777 4208.66,7777 ; 4050,7950 4114.66,7950 4208.66,7856 ; 4050,8050 4154.25,8050 4208.66,8104.41 ; 4050,8150 4126.87,8150 4160.02,8183.15 4208.66,8183.15 ; 4050,8250 4061.89,8261.89 4208.66,8261.89 ; 4050,8350 4059.37,8340.63 4208.66,8340.63 ; 4050,8450 4059.64,8450 4089.64,8420 4208.66,8420 4208.66,8421 ; 4050,8550 4059.64,8550 4105.64,8504 4203.66,8504 4208.66,8499 ; 4050,8650 4090,8650 4122.16,8617.84 4122.16,8615.12 4160.28,8577 4208.66,8577 ; 4050,8750 4114.66,8750 4208.66,8656 ; 4050,8850 4154.25,8850 4208.66,8904.41 ; 4050,8950 4126.87,8950 4160.02,8983.15 4208.66,8983.15 ; 4050,9050 4061.89,9061.89 4208.66,9061.89 ; 4050,9150 4059.37,9140.63 4208.66,9140.63 ; 4050,9250 4059.64,9250 4089.64,9220 4208.66,9220 4208.66,9221 ; 4050,9350 4059.64,9350 4105.64,9304 4203.66,9304 4208.66,9299 ; 4050,9450 4090,9450 4122.16,9417.84 4122.16,9415.12 4160.28,9377 4208.66,9377 ; 4050,9550 4114.66,9550 4208.66,9456 ; 4050,9650 4154.25,9650 4208.66,9704.41 ; 4050,9750 4126.87,9750 4160.02,9783.15 4208.66,9783.15 ; 4050,9850 4061.89,9861.89 4208.66,9861.89 ; 4050,9950 4059.37,9940.63 4208.66,9940.63 ; 4050,10050 4059.64,10050 4089.64,10020 4208.66,10020 4208.66,10021 ; 4050,10150 4059.64,10150 4105.64,10104 4203.66,10104 4208.66,10099 ; 4050,10250 4090,10250 4122.16,10217.84 4122.16,10215.12 4160.28,10177 4208.66,10177 ; 4050,10350 4114.66,10350 4208.66,10256 ; 4792,104.41 4846.41,50 4950,50 ; 4792,183.15 4840.64,183.15 4873.79,150 4950,150 ; 4792,261.89 4840.64,261.89 4852.53,250 4950,250 4950,252.15 ; 4792,340.63 4940.63,340.63 4950,350 ; 4792,420 4797.18,414.82 4905.18,414.82 4940.36,450 4950,450